# Altium PCB PCB1.pcbdoc (part 4 of 4)
Units mm, origin at the board's own origin, x right, y up, seen from the top; angles counter-clockwise.
Board outline 96.52 x 122.17 mm, 4 copper layers (Top Layer, Inner1, Inner2, Bottom Layer); 129 components, 127 nets, 709 pads, 318 vias.
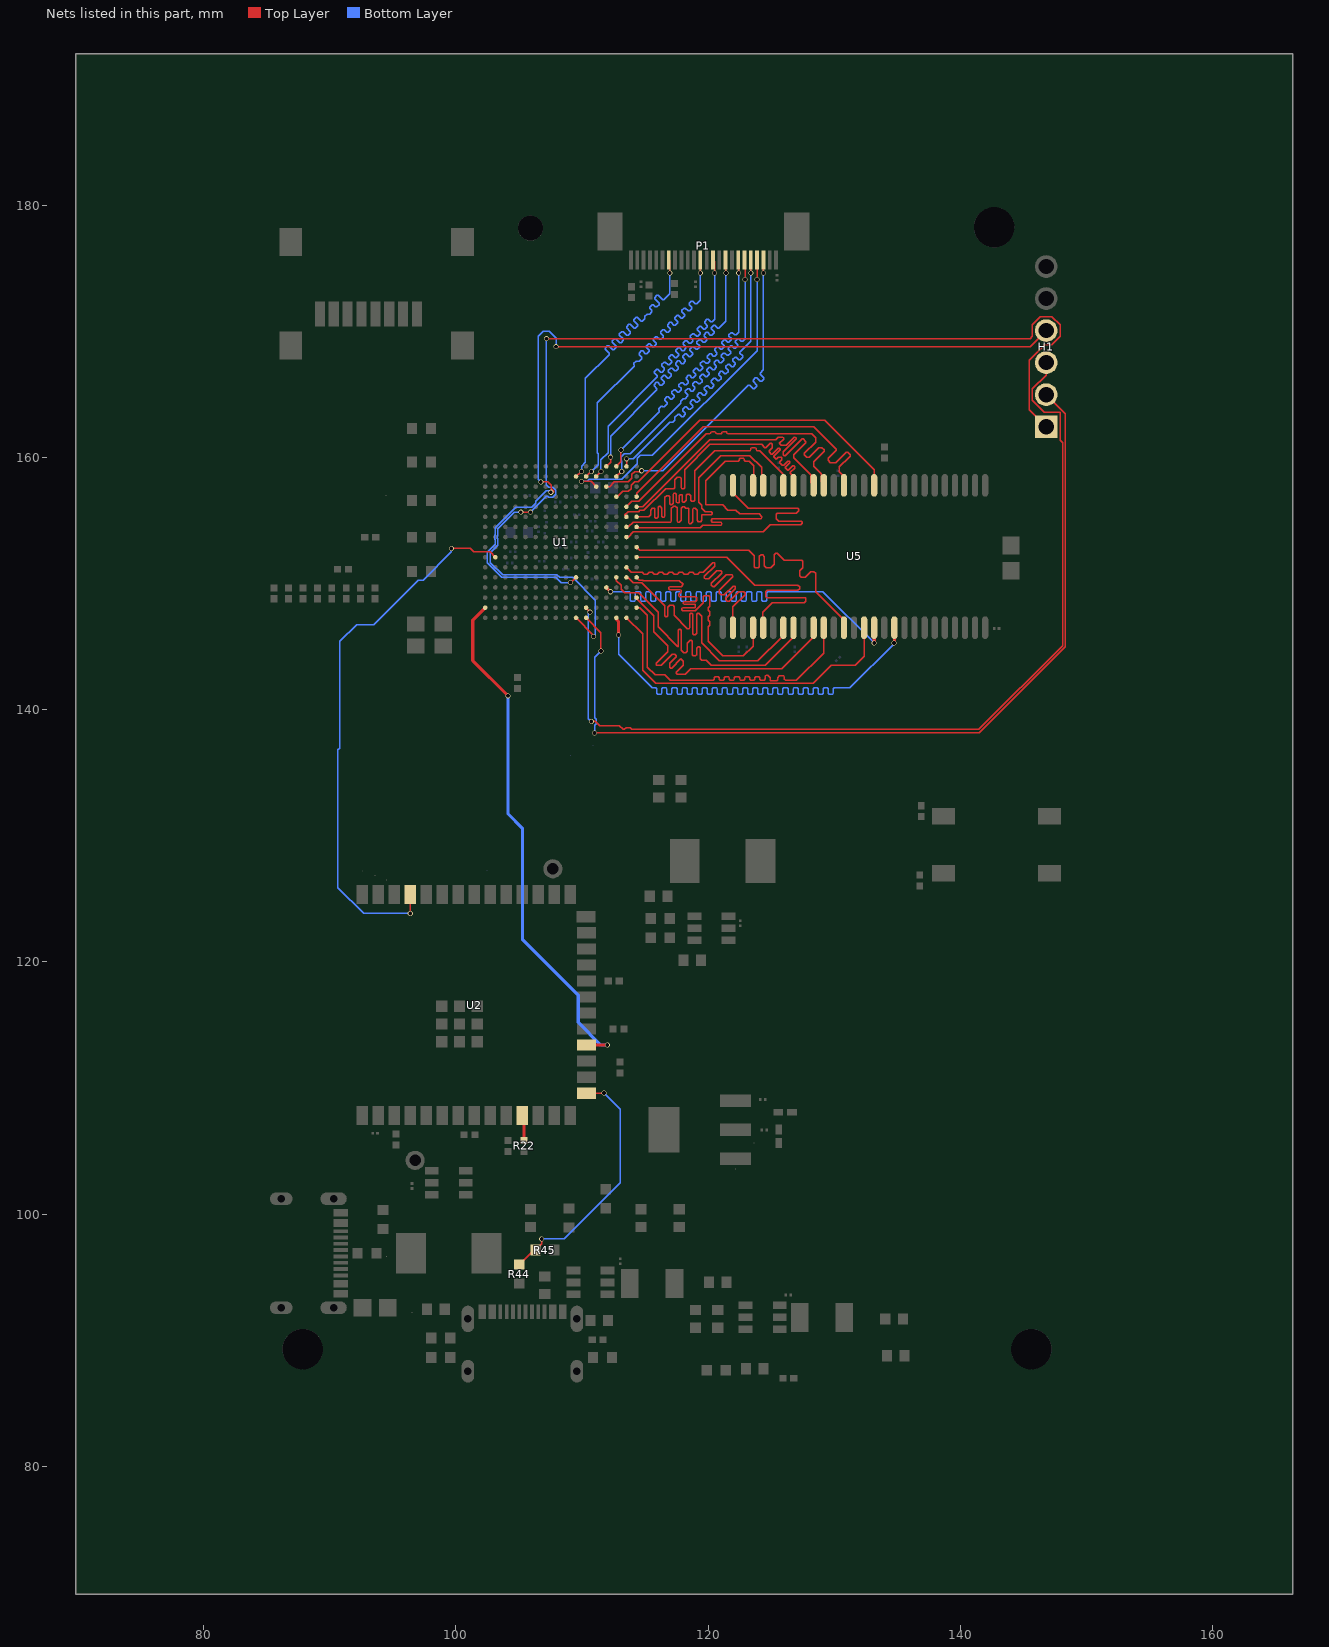
[diagram p6: the nets of this part, all layers, seen from the top]

## Via types
v1: diameter 0.4, hole 0.3, Top Layer to Bottom Layer, 291 vias
v2: diameter 1, hole 0.5, Top Layer to Bottom Layer, 26 vias
v3: diameter 0.5, hole 0.3, Top Layer to Bottom Layer, 1 vias

## Nets (pads, with @x,y where several pads share a name; then routed paths per layer and width w, separated by ;. In a path a pad name is that pad's centre, name@x,y a point inside that pad or via, vN(x,y) a via of type N, cw(c..) or ccw(c..) an arc to the next point about the centre after c; other vN are vias at no path point) (continued)
SD_DQ0: U1.L15 U5.2 | length 25
  Top Layer w0.1: U1.L15@113.531,151.289 113.913,150.907 114.78,150.907 114.851,150.836 114.851,150.82 114.921,150.749 115.18,150.749 115.251,150.82 115.251,150.836 115.321,150.907 115.58,150.907 115.651,150.836 115.651,150.82 115.721,150.749 115.98,150.749 116.051,150.82 116.051,150.836 116.121,150.907 116.38,150.907 116.451,150.836 116.451,150.82 116.521,150.749 116.78,150.749 116.851,150.82 116.851,150.836 116.921,150.907 117.18,150.907 117.251,150.836 117.251,150.82 117.321,150.749 117.58,150.749 117.651,150.82 117.651,150.836 117.721,150.907 117.98,150.907 118.051,150.836 118.051,150.82 118.121,150.749 118.38,150.749 118.451,150.82 118.451,150.836 118.521,150.907 118.78,150.907 118.851,150.836 118.851,150.82 118.921,150.749 119.18,150.749 119.251,150.82 119.251,150.836 119.321,150.907 119.621,150.907 120.382,151.667 120.494,151.667 120.523,151.638 120.523,151.384 119.7,150.561 119.7,150.429 119.761,150.368 120.062,150.368 120.697,151.003 121.006,151.003 121.077,150.932 121.077,150.832 120.269,150.024 120.269,149.86 120.396,149.733 120.487,149.733 121.446,150.693 121.901,150.693 121.972,150.622 121.972,150.528 120.904,149.46 120.904,149.225 121.031,149.098 121.285,149.098 121.991,149.804 122.103,149.804 122.174,149.733 122.174,149.581 121.412,148.819 121.412,148.717 121.539,148.59 121.666,148.59 122.428,149.352 122.826,149.352 122.946,149.231 122.946,149.131 121.972,148.157 U5.2@121.972,146.631
SD_DQ1: U1.M16 U5.4 | length 25
  Top Layer w0.1: U1.M16@114.331,150.489 114.547,150.273 114.808,150.273 114.846,150.235 117.735,150.235 118.036,149.934 117.865,149.762 116.967,149.762 116.896,149.691 116.896,149.591 116.967,149.521 117.814,149.521 117.856,149.479 117.856,149.34 117.658,149.143 117.658,149.043 117.729,148.972 118.998,148.972 119.105,148.865 119.105,148.696 118.978,148.569 118.11,148.569 118.045,148.504 118.045,148.412 118.11,148.348 118.998,148.348 118.998,148.114 118.981,148.096 117.983,148.096 117.912,148.026 117.912,147.926 117.983,147.855 118.998,147.855 119.634,148.491 119.634,148.971 119.705,149.042 120.071,149.042 120.142,148.971 120.142,148.209 120.015,148.082 120.015,147.878 120.135,147.758 120.135,147.478 120.015,147.358 120.015,147.078 120.135,146.958 120.135,146.678 120.015,146.558 120.015,145.415 121.158,144.272 122.809,144.272 123.572,145.035 U5.4@123.572,146.631
SD_DQ2: U1.K16 U5.5 | length 25.6
  Top Layer w0.1: U1.K16@114.331,152.089 121.469,152.089 123.698,149.86 127.127,149.86 127.254,149.733 127.254,149.606 127.111,149.463 124.679,149.463 124.569,149.352 124.569,148.948 124.629,148.888 127.691,148.888 127.762,148.817 127.762,148.59 127.636,148.464 125.096,148.464 124.355,147.723 124.355,146.902 124.372,146.885 U5.5@124.372,146.631
SD_DQ3: U1.M15 U5.7 | length 24.8
  Top Layer w0.1: U1.M15@113.531,150.489 113.611,150.489 113.625,150.474 113.673,150.474 114.076,150.071 114.724,150.071 116.571,148.224 116.571,147.447 116.641,147.376 116.741,147.376 116.812,147.447 116.812,148.124 116.967,148.279 117.221,148.279 117.321,148.179 117.321,147.474 118.364,146.431 118.491,146.431 118.549,146.489 118.549,147.574 118.62,147.645 118.72,147.645 118.79,147.574 118.79,146.005 118.872,145.923 118.999,145.923 119.123,146.047 119.123,147.574 119.182,147.633 119.265,147.633 119.487,147.411 119.487,145.308 120.904,143.891 123.957,143.891 125.828,145.762 125.828,146.36 125.845,146.377 125.845,146.504 U5.7@125.972,146.631
SD_DQ4: U1.M14 U5.8 | length 25.8
  Top Layer w0.1: U1.M14@112.731,150.489 112.731,150.229 113.113,149.847 113.113,149.567 113.409,149.271 114.489,149.271 116.051,147.709 116.051,146.558 117.609,145 117.641,145.032 117.641,146.304 117.712,146.375 117.812,146.375 117.882,146.304 117.882,144.727 118.083,144.526 118.237,144.526 118.356,144.645 118.356,145.267 118.574,145.486 118.674,145.486 118.745,145.415 118.745,144.372 118.845,144.272 118.999,144.272 119.091,144.364 119.091,144.86 119.209,144.978 119.309,144.978 119.38,144.907 119.38,144.04 119.507,143.913 119.847,143.913 120.25,143.51 124.521,143.51 126.929,145.918 126.929,146.474 U5.8@126.772,146.631
SD_DQ5: U1.P16 U5.10 | length 25.6
  Top Layer w0.1: U1.P16@114.331,148.889 114.331,148.78 115.676,147.435 115.676,146.198 116.81,145.064 116.81,144.61 115.88,143.681 115.88,143.581 115.951,143.51 116.271,143.51 117.16,144.399 117.348,144.399 117.475,144.272 117.475,144.206 116.954,143.686 116.954,143.37 117.025,143.3 117.125,143.3 117.85,144.024 118.019,143.855 118.019,143.533 117.468,142.982 117.468,142.882 117.539,142.811 118.173,142.811 118.618,143.256 125.849,143.256 128.372,145.779 U5.10@128.372,146.631
SD_DQ6: U1.R16 U5.11 | length 25.2
  Top Layer w0.1: U1.R16@114.331,148.089 114.595,148.089 115.189,147.495 115.189,143.383 115.82,142.752 116.582,142.752 116.983,142.351 120.425,142.351 120.495,142.422 120.495,142.55 120.566,142.621 120.825,142.621 120.895,142.55 120.895,142.422 120.966,142.351 121.225,142.351 121.295,142.422 121.295,142.55 121.366,142.621 121.625,142.621 121.695,142.55 121.695,142.422 121.766,142.351 122.025,142.351 122.095,142.422 122.095,142.55 122.166,142.621 122.425,142.621 122.495,142.55 122.495,142.422 122.566,142.351 122.825,142.351 122.895,142.422 122.895,142.55 122.966,142.621 123.225,142.621 123.295,142.55 123.295,142.422 123.366,142.351 123.625,142.351 123.695,142.422 123.695,142.55 123.766,142.621 124.025,142.621 124.095,142.55 124.095,142.422 124.166,142.351 124.443,142.351 124.543,142.451 124.543,142.677 124.614,142.748 124.714,142.748 124.92,142.542 124.92,142.291 125.432,142.291 125.532,142.391 125.532,142.55 125.659,142.677 125.984,142.677 126.055,142.607 126.055,142.421 126.155,142.321 126.986,142.321 129.159,144.494 U5.11@129.159,146.126
SD_DQ7: U1.J16 U5.13 | length 25.2
  Top Layer w0.1: U1.J16@114.331,152.889 114.566,152.654 123.218,152.654 123.654,152.217 123.654,151.315 123.725,151.244 123.966,151.244 124.066,151.344 124.066,152.146 124.203,152.282 124.324,152.282 124.462,152.144 124.462,151.409 124.627,151.244 124.955,151.244 125.238,151.527 125.238,152.289 125.349,152.4 125.492,152.4 126.06,151.832 126.064,151.836 127.437,151.836 127.508,151.765 127.508,151.266 127.254,151.012 127.254,150.638 127.397,150.495 127.694,150.495 128.129,150.931 128.397,150.931 128.526,150.801 128.526,149.367 ; 128.526,149.366 130.772,147.12 U5.13@130.772,146.631
SD_DQ8: U1.D16 U5.42 | length 25.2
  Top Layer w0.1: U1.D16@114.331,156.889 114.331,157.143 119.621,162.433 128.397,162.433 130.175,160.655 130.175,160.574 129.519,159.918 129.519,159.766 129.707,159.578 130.141,159.578 130.964,160.401 131.064,160.401 131.262,160.203 131.262,160.091 131.191,160.02 131.185,160.02 130.408,159.243 130.408,158.877 130.645,158.64 130.645,158.042 U5.42@130.772,157.915
SD_DQ9: U1.E15 U5.44 | length 25
  Top Layer w0.1: U1.E15@113.531,156.089 113.949,156.507 114.489,156.507 119.844,161.862 120.144,161.862 120.214,161.932 120.214,161.981 120.285,162.052 120.544,162.052 120.614,161.981 120.614,161.932 120.685,161.862 121.03,161.862 121.101,161.932 121.101,161.981 121.172,162.052 121.43,162.052 121.501,161.981 121.501,161.932 121.572,161.862 128.207,161.862 128.524,161.544 128.524,161.205 127.635,160.316 127.635,160.208 127.823,160.02 128.016,160.02 128.778,160.782 129.032,160.782 129.201,160.613 129.201,160.471 128.397,159.667 128.397,159.288 128.981,158.704 128.981,158.106 U5.44@129.172,157.915
SD_DQ10: U1.E16 U5.45 | length 25
  Top Layer w0.1: U1.E16@114.331,156.089 114.814,156.089 120.142,161.417 125.359,161.417 125.557,161.615 125.913,161.615 125.984,161.544 125.984,161.458 125.651,161.125 125.809,160.967 126.182,160.967 126.829,161.615 126.929,161.615 127,161.544 127,161.477 125.954,160.431 125.954,160.204 126.025,160.133 126.125,160.133 127.458,161.467 127.558,161.467 127.762,161.263 127.762,161.163 126.801,160.202 126.801,159.975 128.024,158.752 128.024,158.747 128.158,158.613 128.158,158.015 128.258,157.915 U5.45@128.372,157.915
SD_DQ11: U1.F15 U5.47 | length 25.1
  Top Layer w0.1: U1.F15@113.531,155.289 113.404,155.416 113.404,155.441 113.67,155.707 114.489,155.707 114.58,155.798 114.904,155.798 116.642,157.536 117.277,157.536 117.348,157.607 117.348,158.242 117.551,158.445 117.756,158.445 117.856,158.345 117.856,157.607 117.927,157.536 118.076,157.536 118.147,157.607 118.147,159.041 120.142,161.036 124.249,161.036 124.509,160.776 124.594,160.776 124.924,161.107 125.024,161.107 125.095,161.036 125.095,160.782 124.841,160.528 124.841,160.444 125.027,160.259 125.08,160.259 125.547,160.726 125.659,160.726 125.73,160.655 125.73,160.61 125.222,160.102 125.222,160.063 125.422,159.864 125.578,160.02 125.794,160.02 125.857,159.957 125.857,159.797 125.699,159.639 125.699,159.586 125.9,159.385 125.984,159.385 126.309,159.71 126.421,159.71 126.492,159.639 126.492,159.59 126.111,159.209 126.111,159.174 126.306,158.979 126.353,158.979 126.702,159.329 126.802,159.329 126.873,159.258 126.873,159.16 126.535,158.822 126.535,158.75 126.772,158.513 U5.47@126.772,157.915
SD_DQ12: U1.F16 U5.48 | length 25.1
  Top Layer w0.1: U1.F16@114.331,155.289 115.284,155.289 115.443,155.448 115.443,155.829 115.57,155.956 115.737,155.956 115.78,155.912 115.78,155.265 115.851,155.194 115.951,155.194 116.059,155.302 116.059,156.064 116.117,156.122 116.205,156.122 116.34,155.987 116.34,155.325 116.415,155.25 116.515,155.25 116.586,155.321 116.586,156.845 116.713,156.972 116.899,156.972 116.98,156.892 116.98,156.337 117.05,156.266 117.119,156.266 117.221,156.369 117.221,157.094 117.284,157.157 117.417,157.157 117.488,157.086 117.488,156.464 117.558,156.393 117.658,156.393 117.729,156.464 117.729,156.972 117.793,157.036 117.919,157.036 117.954,157.001 117.954,156.52 118.025,156.449 118.125,156.449 118.266,156.591 118.266,157.001 118.364,157.099 118.491,157.099 118.618,156.972 118.618,156.591 118.689,156.52 118.857,156.52 118.928,156.591 118.928,158.933 120.523,160.528 123.332,160.528 123.402,160.599 123.402,160.711 123.473,160.782 123.732,160.782 123.802,160.711 123.802,160.599 123.873,160.528 124.079,160.528 125.914,158.693 125.914,158.015 125.972,157.957 U5.48@125.972,157.915
SD_DQ13: U1.G15 U5.50 | length 25.1
  Top Layer w0.1: U1.G15@113.531,154.489 113.672,154.489 114.054,154.871 117.025,154.871 117.094,154.94 117.094,155.956 117.277,156.139 117.419,156.139 117.546,156.012 117.546,154.94 117.616,154.869 117.716,154.869 117.856,155.009 117.856,155.956 117.983,156.083 118.11,156.083 118.237,155.956 118.453,155.956 118.453,154.813 118.524,154.742 118.624,154.742 118.783,154.902 118.783,155.899 118.84,155.956 118.999,155.956 119.126,155.829 119.126,155.013 119.226,154.913 119.407,154.913 119.507,155.013 119.507,155.406 119.549,155.448 120.269,155.448 120.34,155.519 120.34,155.619 120.261,155.697 119.766,155.697 119.507,155.956 119.507,156.197 119.265,156.44 119.265,158.387 121.025,160.147 123.317,160.147 124.254,159.21 124.254,158.034 U5.50@124.372,157.915
SD_DQ14: U1.G16 U5.51 | length 25
  Top Layer w0.1: U1.G16@114.331,154.489 114.394,154.425 119.373,154.425 119.567,154.619 121.031,154.619 121.102,154.69 121.102,154.79 121.031,154.86 120.349,154.86 120.236,154.973 120.236,155.034 120.331,155.129 124.206,155.129 124.277,155.199 124.277,155.299 124.057,155.519 122.511,155.519 122.201,155.829 121.577,155.829 121.158,156.248 119.808,156.248 119.808,158.162 121.349,159.702 122.412,159.702 122.483,159.773 122.483,159.847 122.553,159.918 122.812,159.918 122.883,159.847 122.883,159.773 122.954,159.702 123.253,159.702 123.618,159.338 123.618,158.25 U5.51@123.636,158.233
SD_DQ15: U1.H15 U5.53 | length 25.3
  Top Layer w0.1: U1.H15@113.531,153.689 113.658,153.689 114.076,154.107 124.362,154.107 124.919,154.664 127.347,154.664 127.452,154.769 127.452,154.869 127.381,154.94 125.603,154.94 125.405,155.138 125.405,155.504 125.476,155.575 126.987,155.575 127.198,155.785 127.198,155.885 127.127,155.956 123.19,155.956 122.099,157.047 U5.53@122.099,157.788
SD_DQM0: U1.T15 U5.15 | length 25.8
  Top Layer w0.1: U1.T15@113.531,147.289 114.808,146.012 114.808,143.129 115.846,142.091 128.341,142.091 129.76,143.51 131.659,143.51 132.372,144.223 U5.15@132.372,146.504
SD_DQM1: U1.D14 U5.39 | length 25.9
  Top Layer w0.1: U1.D14@112.731,156.889 112.82,156.889 113.238,157.307 113.689,157.307 113.913,157.531 113.913,157.811 114.173,158.071 114.453,158.071 119.323,162.941 129.27,162.941 133.181,159.031 133.181,158.042 U5.39@133.054,157.915
SD_RAS_N: U1.T14 U5.18 | length 43.8
  Top Layer w0.254: U1.T14@112.776,147.123 112.903,146.996 v1(112.903,145.923) ; v1(134.747,145.288) 134.772,145.313 U5.18@134.772,146.504
  Bottom Layer w0.1: v1(112.903,145.923) 112.903,144.399 115.57,141.732 115.87,141.732 115.941,141.661 115.941,141.295 116.011,141.224 116.27,141.224 116.341,141.295 116.341,141.661 116.411,141.732 116.67,141.732 116.741,141.661 116.741,141.295 116.811,141.224 117.07,141.224 117.141,141.295 117.141,141.661 117.211,141.732 117.47,141.732 117.541,141.661 117.541,141.295 117.611,141.224 117.87,141.224 117.941,141.295 117.941,141.661 118.011,141.732 118.27,141.732 118.341,141.661 118.341,141.295 118.411,141.224 118.67,141.224 118.741,141.295 118.741,141.661 118.811,141.732 119.07,141.732 119.141,141.661 119.141,141.295 119.211,141.224 119.47,141.224 119.541,141.295 119.541,141.661 119.611,141.732 119.87,141.732 119.941,141.661 119.941,141.295 120.011,141.224 120.27,141.224 120.341,141.295 120.341,141.661 120.411,141.732 120.67,141.732 120.741,141.661 120.741,141.295 120.811,141.224 121.07,141.224 121.141,141.295 121.141,141.661 121.211,141.732 121.47,141.732 121.541,141.661 121.541,141.295 121.611,141.224 121.87,141.224 121.941,141.295 121.941,141.661 122.011,141.732 122.27,141.732 122.341,141.661 122.341,141.295 122.411,141.224 122.67,141.224 122.741,141.295 122.741,141.661 122.811,141.732 123.07,141.732 123.141,141.661 123.141,141.295 123.211,141.224 123.47,141.224 123.541,141.295 123.541,141.661 123.611,141.732 123.87,141.732 123.941,141.661 123.941,141.295 124.011,141.224 124.27,141.224 124.341,141.295 124.341,141.661 124.411,141.732 124.67,141.732 124.741,141.661 124.741,141.295 124.811,141.224 125.07,141.224 125.141,141.295 125.141,141.661 125.211,141.732 125.47,141.732 125.541,141.661 125.541,141.295 125.611,141.224 125.87,141.224 125.941,141.295 125.941,141.661 126.011,141.732 126.27,141.732 126.341,141.661 126.341,141.295 126.411,141.224 126.67,141.224 126.741,141.295 126.741,141.661 126.811,141.732 127.07,141.732 127.141,141.661 127.141,141.295 127.211,141.224 127.47,141.224 127.541,141.295 127.541,141.661 127.611,141.732 127.87,141.732 127.941,141.661 127.941,141.295 128.011,141.224 128.27,141.224 128.341,141.295 128.341,141.661 128.411,141.732 128.67,141.732 128.741,141.661 128.741,141.295 128.811,141.224 129.07,141.224 129.141,141.295 129.141,141.661 129.211,141.732 129.47,141.732 129.541,141.661 129.541,141.295 129.611,141.224 129.87,141.224 129.941,141.295 129.941,141.661 130.011,141.732 131.239,141.732 134.747,145.24 v1(134.747,145.288)
SD_WE_N: U1.N13 U5.16 | length 43.3
  Top Layer w0.254: U1.N13@111.931,149.689 v1(112.268,149.352) ; v1(133.172,145.288) U5.16@133.172,146.504
  Bottom Layer w0.1: v1(112.268,149.352) 113.776,149.352 113.847,149.281 113.847,148.661 113.918,148.59 114.176,148.59 114.247,148.661 114.247,149.281 114.318,149.352 114.576,149.352 114.647,149.281 114.647,148.661 114.718,148.59 114.976,148.59 115.047,148.661 115.047,149.281 115.118,149.352 115.376,149.352 115.447,149.281 115.447,148.661 115.518,148.59 115.776,148.59 115.847,148.661 115.847,149.281 115.918,149.352 116.176,149.352 116.247,149.281 116.247,148.661 116.318,148.59 116.576,148.59 116.647,148.661 116.647,149.281 116.718,149.352 116.976,149.352 117.047,149.281 117.047,148.661 117.118,148.59 117.376,148.59 117.447,148.661 117.447,149.281 117.518,149.352 117.776,149.352 117.847,149.281 117.847,148.661 117.918,148.59 118.176,148.59 118.247,148.661 118.247,149.281 118.318,149.352 118.576,149.352 118.647,149.281 118.647,148.661 118.718,148.59 118.976,148.59 119.047,148.661 119.047,149.281 119.118,149.352 119.376,149.352 119.447,149.281 119.447,148.661 119.518,148.59 119.776,148.59 119.847,148.661 119.847,149.281 119.918,149.352 120.176,149.352 120.247,149.281 120.247,148.661 120.318,148.59 120.576,148.59 120.647,148.661 120.647,149.281 120.718,149.352 120.976,149.352 121.047,149.281 121.047,148.661 121.118,148.59 121.376,148.59 121.447,148.661 121.447,149.281 121.518,149.352 121.776,149.352 121.847,149.281 121.847,148.661 121.918,148.59 122.176,148.59 122.247,148.661 122.247,149.281 122.318,149.352 122.576,149.352 122.647,149.281 122.647,148.661 122.718,148.59 122.976,148.59 123.047,148.661 123.047,149.281 123.118,149.352 123.376,149.352 123.447,149.281 123.447,148.661 123.518,148.59 123.776,148.59 123.847,148.661 123.847,149.281 123.918,149.352 124.176,149.352 124.247,149.281 124.247,148.661 124.318,148.59 124.576,148.59 124.647,148.661 124.647,149.281 124.718,149.352 129.108,149.352 v1(133.172,145.288)
SDA: R22.1 U2.11 | length 1.9
  Top Layer w0.254: R22.1@105.405,105.918 U2.11@105.405,107.836
SSPI_CS_N: U1.R1 U2.18 | length 41.3
  Top Layer w0.254: U1.R1@102.331,148.089 101.346,147.104 101.346,143.891 v1(104.14,141.097) ; U2.18@110.495,113.411 v1(112.014,113.411)
  Bottom Layer w0.254: v1(104.14,141.097) 104.14,131.743 105.283,130.6 105.283,121.793 109.701,117.375 109.701,115.216 111.506,113.411 v1(112.014,113.411)
TCK: H1.1 U1.T10 | length 88.4
  Top Layer w0.1: v1(105.152,155.661) 105.363,155.661 105.373,155.671 105.689,155.671 105.699,155.661 105.877,155.661 v1@105.918,155.702 ; v1(107.188,169.418) 145.526,169.418 145.71,169.602 145.71,170.509 146.356,171.155 147.268,171.155 147.914,170.509 147.914,169.597 147.268,168.951 146.692,168.951 145.459,167.719 145.459,163.786 H1.1@146.812,162.433 ; U1.T10@109.531,147.289 110.915,145.905 v1(110.915,145.796)
  Bottom Layer w0.1: v1(105.152,155.661) 104.636,155.661 103.333,154.358 103.333,153.802 103.284,153.752 103.284,153.6 103.345,153.538 103.345,153.04 102.743,152.438 102.743,151.667 103.715,150.695 108.014,150.695 108.227,150.481 109.26,150.481 111.046,148.695 111.046,145.927 v1(110.915,145.796) ; v1(105.918,155.661) 107.188,156.931 107.273,156.931 107.365,156.839 107.698,156.839 107.933,157.075 107.933,157.408 107.698,157.643 107.365,157.643 107.188,157.82 v1(107.188,169.418)
TDI: H1.3 U1.R11 | length 74.5
  Top Layer w0.1: U1.R11@110.331,148.089 110.331,148.041 v1(110.644,147.728) ; v1(110.744,139.065) 111.072,139.065 111.399,138.738 112.949,138.738 113.257,138.43 113.371,138.43 113.498,138.557 113.832,138.557 113.959,138.43 141.478,138.43 148.136,145.088 148.136,161.153 147.923,161.366 147.923,163.579 146.647,163.579 145.71,164.517 145.71,165.429 146.812,166.531 H1.3@146.812,167.513
  Bottom Layer w0.1: v1(110.644,147.728) 110.513,147.597 110.513,139.296 v1(110.744,139.065)
TDO: H1.4 U1.M10 | length 72.1
  Top Layer w0.1: v1(106.743,158.054) 106.955,158.054 106.973,158.071 107.289,158.071 107.549,157.811 107.549,157.531 107.773,157.307 107.773,157.271 107.743,157.241 v1(107.531,157.241) ; v1(107.95,168.783) 145.542,168.783 H1.4@146.812,170.053 ; v1(109.093,150.079) 109.121,150.079 U1.M10@109.531,150.489
  Bottom Layer w0.1: v1(106.743,158.054) 106.532,158.265 106.532,169.601 106.932,170.001 107.413,170.001 107.95,169.464 v1(107.95,168.783) ; v1(107.531,157.241) 107.404,157.368 107.175,157.368 106.32,156.514 106.32,156.357 106.026,156.063 104.755,156.063 103.133,154.441 103.133,153.884 103.084,153.835 103.084,153.517 103.145,153.456 103.145,153.122 102.489,152.466 102.489,151.638 103.632,150.495 107.931,150.495 108.346,150.079 v1(109.093,150.079)
TMS: H1.2 U1.T11 | length 70.7
  Top Layer w0.1: U1.T11@110.331,147.289 111.506,146.114 v1(111.506,144.653) ; v1(110.998,138.155) 141.486,138.155 148.336,145.005 148.336,163.449 H1.2@146.812,164.973
  Bottom Layer w0.1: v1(110.998,138.155) 110.998,138.75 111.146,138.898 111.146,139.232 110.998,139.38 110.998,144.145 v1(111.506,144.653)
TX: U1.K2 U2.37 | length 43.6
  Top Layer w0.1: v1@96.388,123.825 U2.37@96.388,125.336 ; v1@99.568,152.781 101.158,152.781 101.433,152.506 102.712,152.506 ; 102.713,152.507 U1.K2@103.131,152.089
  Bottom Layer w0.1: v1(96.388,123.846) 92.689,123.846 90.655,125.88 90.655,136.809 90.805,136.959 90.805,145.415 92.129,146.739 93.501,146.739 97.036,150.274 97.404,150.274 99.643,152.513 v1(99.643,152.781)
USB_VBUS: R44.1 R45.2 U2.15 | length 19.9
  Top Layer w0.1: R44.1@105.029,96.003 106.181,97.155 R45.2@106.308,97.155 106.807,97.654 v1(106.807,98.044) ; U2.15@110.368,109.601 v1(111.76,109.601)
  Bottom Layer w0.1: v1(106.807,98.044) 108.585,98.044 113.03,102.489 113.03,108.331 v1(111.76,109.601)
VSYNC: P1.7 U1.B10 | length 27.1
  Top Layer w0.1: U1.B10@109.531,158.489 109.927,158.885 v1(109.974,158.885) ; P1.7@116.888,175.655 116.967,175.577 v1(116.967,174.625)
  Bottom Layer w0.1: v1(109.974,158.885) 109.974,159.317 110.257,159.599 110.257,166.264 112.152,168.159 112.152,168.259 111.843,168.568 111.843,168.668 112.026,168.851 112.126,168.851 112.435,168.542 112.535,168.542 112.718,168.725 112.718,168.825 112.409,169.134 112.409,169.234 112.591,169.417 112.691,169.417 113.001,169.108 113.101,169.108 113.283,169.29 113.283,169.39 112.974,169.7 112.974,169.8 113.157,169.982 113.257,169.982 113.566,169.673 113.666,169.673 113.849,169.856 113.849,169.956 113.54,170.265 113.54,170.365 113.723,170.548 113.823,170.548 114.132,170.239 114.232,170.239 114.415,170.422 114.415,170.522 114.106,170.831 114.106,170.931 114.289,171.114 114.389,171.114 114.698,170.805 114.798,170.805 114.984,170.991 114.984,171.184 115.171,171.37 115.363,171.37 115.546,171.553 115.546,171.653 115.38,171.819 115.38,171.919 115.563,172.102 115.663,172.102 115.829,171.936 115.929,171.936 116.112,172.119 116.112,172.219 115.767,172.563 115.767,172.663 115.95,172.846 116.05,172.846 116.395,172.502 116.495,172.502 116.967,172.974 v1(116.967,174.625)
Y2: P1.19 U1.B14 | length 27
  Top Layer w0.1: U1.B14@112.731,158.489 113.119,158.877 v1(113.157,158.877) ; P1.19@122.888,175.655 122.936,175.607 v1(122.936,174.117)
  Bottom Layer w0.1: v1(113.157,158.877) 113.157,159.705 113.136,159.726 113.136,160.06 113.371,160.295 113.813,160.295 117.817,164.299 117.817,164.465 118.018,164.665 118.183,164.665 118.399,164.881 118.399,164.981 118.211,165.169 118.211,165.269 118.393,165.451 118.493,165.451 118.681,165.263 118.781,165.263 118.964,165.446 118.964,165.546 118.776,165.734 118.776,165.834 118.959,166.017 119.059,166.017 119.247,165.829 119.347,165.829 119.53,166.012 119.53,166.112 119.342,166.3 119.342,166.4 119.525,166.583 119.625,166.583 119.813,166.395 119.913,166.395 120.096,166.578 120.096,166.678 119.908,166.866 119.908,166.966 120.091,167.148 120.191,167.148 120.379,166.961 120.479,166.961 120.661,167.143 120.661,167.243 120.473,167.431 120.473,167.531 120.656,167.714 120.756,167.714 120.944,167.526 121.044,167.526 121.227,167.709 121.227,167.809 121.039,167.997 121.039,168.097 121.222,168.28 121.322,168.28 121.51,168.092 121.61,168.092 121.793,168.275 121.793,168.375 121.605,168.563 121.605,168.663 121.788,168.846 121.888,168.846 122.076,168.658 122.176,168.658 122.358,168.84 122.358,168.94 122.17,169.128 122.17,169.228 122.353,169.411 122.453,169.411 122.641,169.223 122.741,169.223 122.936,169.418 v1(122.936,174.117)
Y3: P1.21 U1.C12 | length 27
  Top Layer w0.1: v1(109.968,158.1) 110.72,158.1 U1.C12@111.131,157.689 ; v1(123.89,174.117) P1.21@123.89,175.652
  Bottom Layer w0.1: v1(109.968,158.1) 110.417,158.1 110.576,158.259 113.174,158.259 114.406,159.491 114.406,159.933 114.641,160.168 115.591,160.168 123.89,168.467 v1(123.89,174.117)
Y4: P1.22 U1.C13 | length 27
  Top Layer w0.1: U1.C13@111.931,157.689 112.191,157.689 112.573,158.071 113.653,158.071 113.949,158.367 113.949,158.647 114.173,158.871 114.665,158.871 v1(114.74,158.945) ; v1(124.39,174.625) P1.22@124.39,175.652
  Bottom Layer w0.1: v1(114.74,158.945) 116.4,158.945 123.195,165.74 123.295,165.74 123.576,165.459 123.676,165.459 123.859,165.642 123.859,165.742 123.578,166.023 123.578,166.123 123.761,166.306 123.861,166.306 124.142,166.025 124.242,166.025 124.425,166.208 124.425,166.308 124.144,166.589 124.144,166.689 124.39,166.935 v1(124.39,174.625)
Y5: P1.20 U1.A15 | length 27
  Top Layer w0.1: U1.A15@113.531,159.289 113.538,159.296 v1(113.538,159.893) ; v1(123.39,174.625) P1.20@123.39,175.652
  Bottom Layer w0.1: v1(113.538,159.893) 114.084,159.893 116.981,162.791 117.081,162.791 117.089,162.782 117.189,162.782 117.372,162.965 117.372,163.065 117.364,163.074 117.364,163.174 117.624,163.434 117.724,163.434 117.923,163.235 118.023,163.235 118.206,163.418 118.206,163.518 118.007,163.717 118.007,163.817 118.19,163.999 118.29,163.999 118.489,163.801 118.589,163.801 118.772,163.984 118.772,164.084 118.573,164.282 118.573,164.382 118.756,164.565 118.856,164.565 119.054,164.366 119.154,164.366 119.337,164.549 119.337,164.649 119.139,164.848 119.139,164.948 119.321,165.131 119.421,165.131 119.62,164.932 119.72,164.932 119.903,165.115 119.903,165.215 119.704,165.414 119.704,165.514 119.887,165.696 119.987,165.696 120.186,165.498 120.286,165.498 120.469,165.681 120.469,165.781 120.27,165.979 120.27,166.079 120.453,166.262 120.553,166.262 120.751,166.063 120.851,166.063 121.034,166.246 121.034,166.346 120.836,166.545 120.836,166.645 121.018,166.828 121.118,166.828 121.317,166.629 121.417,166.629 121.6,166.812 121.6,166.912 121.401,167.111 121.401,167.211 121.584,167.393 121.684,167.393 121.883,167.195 121.983,167.195 122.166,167.378 122.166,167.478 121.967,167.676 121.967,167.776 122.15,167.959 122.25,167.959 122.448,167.76 122.548,167.76 122.731,167.943 122.731,168.043 122.533,168.242 122.533,168.342 123.39,169.199 v1(123.39,174.625)
Y6: P1.18 U1.A14 | length 27.1
  Top Layer w0.1: U1.A14@112.731,159.289 113.096,159.654 v1(113.096,160.589) ; P1.18@122.388,175.655 122.428,175.615 v1(122.428,174.625)
  Bottom Layer w0.1: v1(113.096,160.589) 116.135,163.627 116.135,163.727 116.089,163.772 116.089,163.872 116.272,164.055 116.372,164.055 116.418,164.01 116.518,164.01 116.747,164.239 116.747,164.339 116.561,164.524 116.561,164.624 116.744,164.807 116.844,164.807 117.029,164.621 117.129,164.621 117.312,164.804 117.312,164.904 117.127,165.09 117.127,165.19 117.31,165.372 117.41,165.372 117.595,165.187 117.695,165.187 117.878,165.37 117.878,165.47 117.693,165.655 117.693,165.755 117.875,165.938 117.975,165.938 118.161,165.753 118.261,165.753 118.444,165.936 118.444,166.036 118.258,166.221 118.258,166.321 118.441,166.504 118.541,166.504 118.726,166.318 118.826,166.318 119.009,166.501 119.009,166.601 118.824,166.787 118.824,166.887 119.007,167.07 119.107,167.07 119.292,166.884 119.392,166.884 119.575,167.067 119.575,167.167 119.39,167.352 119.39,167.452 119.572,167.635 119.672,167.635 119.858,167.45 119.958,167.45 120.141,167.633 120.141,167.733 119.955,167.918 119.955,168.018 120.138,168.201 120.238,168.201 120.423,168.016 120.523,168.016 120.706,168.198 120.706,168.298 120.521,168.484 120.521,168.584 120.704,168.767 120.804,168.767 120.989,168.581 121.089,168.581 121.272,168.764 121.272,168.864 121.087,169.049 121.087,169.149 121.27,169.332 121.37,169.332 121.555,169.147 121.655,169.147 121.838,169.33 121.838,169.43 121.652,169.615 121.652,169.715 121.835,169.898 121.935,169.898 122.121,169.713 122.221,169.713 122.428,169.92 v1(122.428,174.625)
Y7: P1.16 U1.A13 | length 26.9
  Top Layer w0.1: U1.A13@111.931,159.289 112.268,159.626 v1(112.268,160.02) ; P1.16@121.388,175.654 121.412,175.63 v1(121.412,174.625)
  Bottom Layer w0.1: v1(112.268,160.02) 112.268,161.671 115.946,165.349 115.946,165.449 115.729,165.667 115.729,165.767 115.911,165.949 116.011,165.949 116.229,165.732 116.329,165.732 116.512,165.915 116.512,166.015 116.294,166.232 116.294,166.332 116.477,166.515 116.577,166.515 116.795,166.298 116.895,166.298 117.077,166.48 117.077,166.58 116.86,166.798 116.86,166.898 117.043,167.081 117.143,167.081 117.36,166.863 117.46,166.863 117.643,167.046 117.643,167.146 117.426,167.364 117.426,167.464 117.608,167.646 117.708,167.646 117.926,167.429 118.026,167.429 118.209,167.612 118.209,167.712 117.991,167.929 117.991,168.029 118.174,168.212 118.274,168.212 118.492,167.995 118.592,167.995 118.774,168.177 118.774,168.277 118.557,168.495 118.557,168.595 118.74,168.778 118.84,168.778 119.057,168.56 119.157,168.56 119.34,168.743 119.34,168.843 119.123,169.061 119.123,169.161 119.305,169.343 119.405,169.343 119.623,169.126 119.723,169.126 119.906,169.309 119.906,169.409 119.688,169.626 119.688,169.726 119.871,169.909 119.971,169.909 120.189,169.692 120.289,169.692 120.471,169.874 120.471,169.974 120.254,170.192 120.254,170.292 120.437,170.475 120.537,170.475 120.754,170.257 120.854,170.257 121.412,170.815 v1(121.412,174.625)
Y8: P1.14 U1.B12 | length 27
  Top Layer w0.1: U1.B12@111.131,158.489 111.506,158.864 v1(111.506,158.877) ; P1.14@120.389,175.655 120.519,175.524 v1(120.519,174.621)
  Bottom Layer w0.1: v1(111.506,158.877) 111.506,159.827 112.068,160.389 112.068,162.487 115.966,166.385 115.966,166.485 115.748,166.702 115.748,166.802 115.931,166.985 116.031,166.985 116.249,166.768 116.349,166.768 116.542,166.961 116.542,167.061 116.325,167.279 116.325,167.379 116.508,167.562 116.608,167.562 116.825,167.344 116.925,167.344 117.108,167.527 117.108,167.627 116.89,167.844 116.89,167.944 117.073,168.127 117.173,168.127 117.391,167.91 117.491,167.91 117.674,168.093 117.674,168.193 117.456,168.41 117.456,168.51 117.639,168.693 117.739,168.693 117.956,168.475 118.056,168.475 118.239,168.658 118.239,168.758 118.022,168.976 118.022,169.076 118.205,169.259 118.305,169.259 118.522,169.041 118.622,169.041 118.805,169.224 118.805,169.324 118.587,169.541 118.587,169.641 118.77,169.824 118.87,169.824 119.088,169.607 119.188,169.607 119.371,169.79 119.371,169.89 119.153,170.107 119.153,170.207 119.336,170.39 119.436,170.39 119.654,170.173 119.754,170.173 119.936,170.355 119.936,170.455 119.719,170.673 119.719,170.773 119.902,170.956 120.002,170.956 120.219,170.738 120.319,170.738 120.519,170.938 v1(120.519,174.621)
Y9: P1.12 U1.B11 | length 27
  Top Layer w0.1: U1.B11@110.331,158.489 110.719,158.877 v1(110.744,158.877) ; v1(119.389,174.625) P1.12@119.389,175.655
  Bottom Layer w0.1: v1(110.744,158.877) 111.306,159.439 111.306,160.286 111.231,160.361 111.231,164.317 114.143,167.229 114.143,167.329 114.116,167.356 114.116,167.456 114.299,167.639 114.399,167.639 114.426,167.612 114.526,167.612 114.752,167.838 114.752,167.938 114.535,168.156 114.535,168.256 114.718,168.439 114.818,168.439 115.035,168.221 115.135,168.221 115.318,168.404 115.318,168.504 115.1,168.721 115.1,168.821 115.283,169.004 115.383,169.004 115.601,168.787 115.701,168.787 115.884,168.97 115.884,169.07 115.666,169.287 115.666,169.387 115.849,169.57 115.949,169.57 116.167,169.353 116.267,169.353 116.449,169.535 116.449,169.635 116.232,169.853 116.232,169.953 116.415,170.136 116.515,170.136 116.732,169.918 116.832,169.918 117.015,170.101 117.015,170.201 116.798,170.419 116.798,170.519 116.98,170.701 117.08,170.701 117.298,170.484 117.398,170.484 117.581,170.667 117.581,170.767 117.363,170.984 117.363,171.084 117.546,171.267 117.646,171.267 117.864,171.05 117.964,171.05 118.146,171.232 118.146,171.332 117.929,171.55 117.929,171.65 118.112,171.833 118.212,171.833 118.429,171.615 118.529,171.615 118.712,171.798 118.712,171.898 118.495,172.116 118.495,172.216 118.677,172.398 118.777,172.398 118.995,172.181 119.095,172.181 119.389,172.475 v1(119.389,174.625)
pads on no net: P1.1 P1.10 SCREW1.1 SCREW2.1 SCREW3.1 SCREW4.1 U1.A9 U1.B3 U1.B8 U1.B13 U1.B15 U1.B16 U1.C1 U1.C2 U1.C3 U1.C4 U1.C5 U1.C6 U1.C9 U1.C10 U1.C11 U1.C14 U1.C15 U1.C16 U1.D1 U1.D3 U1.D4 U1.D5 U1.D6 U1.D7 U1.D8 U1.D9 U1.D10 U1.D11 U1.D12 U1.D13 U1.E3 U1.E4 U1.E5 U1.E6 U1.E7 U1.E8 U1.E9 U1.E10 U1.E11 U1.E12 U1.E13 U1.E14 U1.F3 U1.F4 U1.F5 U1.F12 U1.F13 U1.F14 U1.G3 U1.G4 U1.G5 U1.G12 U1.G13 U1.G14 U1.H2 U1.H3 U1.H4 U1.H5 U1.H12 U1.H13 U1.H14 U1.J3 U1.J4 U1.J5 U1.J12 U1.J13 U1.K3 U1.K4 U1.K5 U1.K13 U1.K14 U1.K15 U1.L1 U1.L2 U1.L3 U1.L4 U1.L5 U1.L13 U1.L14 U1.L16 U1.M2 U1.M3 U1.M4 U1.M5 U1.M6 U1.M7 U1.M9 U1.M11 U1.M12 U1.M13 U1.N1 U1.N3 U1.N4 U1.N5 U1.N6 U1.N7 U1.N8 U1.N9 U1.N11 U1.N12 U1.N14 U1.N16 U1.P1 U1.P2 U1.P3 U1.P4 U1.P5 U1.P6 U1.P7 U1.P8 U1.P11 U1.P12 U1.P13 U1.P14 U1.P15 U1.R2 U1.R3 U1.R4 U1.R5 U1.R6 U1.R7 U1.R8 U1.R12 U1.R14 U1.T13 U2.4 U2.16 U2.26 U2.28 U2.29 U2.30 U2.32 U2.33 U2.34 U2.35 U2.38 U2.39 U5.40 U8.4 USB1.A6 USB1.A7 USB1.A8 USB1.B6 USB1.B7 USB1.B8 USB2.A8 USB2.B6 USB2.B7 USB2.B8
copper on no net: | length 14.2
  Top Layer w0.1: 93.599,126.873 93.848,126.624 93.848,125.336 ; 94.488,126.492 95.118,125.862 95.118,125.336 ; 96.388,107.836 96.617,107.607 v1(96.617,106.202) ; 105.278,125.336 105.278,125.971 106.815,127.508 107.442,127.508 107.696,127.254 ; v1(109.983,148.589) 110.032,148.59 110.331,148.889
  Top Layer w0.254: v1(101.727,148.54) 101.982,148.54 102.331,148.889 ; v1(103.526,149.246) 103.526,149.284 103.931,149.689 ; v1(104.283,148.489) 104.331,148.489 104.731,148.889 ; v1(104.394,149.352) 104.731,149.689
  Bottom Layer w0.1: v1(96.617,106.202) 96.774,106.045 96.774,104.267 ; v1(109.983,148.589) 110.363,148.209 110.363,148.082

## Polygon pours and split planes (outlines as drawn)
+3V3 on Inner2 (solid, remove dead copper): 77.851,185.674 160.02,185.674 160.02,76.2 77.851,76.2
GND on Inner1 (solid, remove dead copper): 76.2,182.118 151.257,182.118 151.257,77.978 76.2,77.978
+5V on Top Layer (solid, remove dead copper, pour order 0): 86.995,99.695 90.132,99.695 90.132,93.641 86.995,93.641
+5V on Inner2 (solid, remove dead copper): 87.276,103.749 115.523,103.749 115.523,88.615 87.276,88.615

## Keep-outs
Board Outline Layer:
  lines w0.254: 84.709,86.229 148.709,86.229 148.709,181.229 84.709,181.229 84.709,86.229

## Other copper
Top Layer:
  region net GND: 92.327,127.396 92.835,127.396 92.835,126.995 92.321,126.995 92.327,127
  region net GND: 94.237,96.848 94.745,96.848 94.745,96.446 94.231,96.446 94.237,96.452
  region net GND: 96.269,92.403 96.777,92.403 96.777,92.001 96.263,92.001 96.269,92.007
  region net +1V8: 123.397,105.828 123.905,105.828 123.905,105.426 123.392,105.426 123.397,105.431
  region net GND: 121.916,103.797 122.424,103.797 122.424,103.396 121.911,103.396 121.916,103.401
  region net +3V3: 94.206,157.194 94.714,157.194 94.714,156.793 94.201,156.793 94.206,156.798
  region: 93.348,127.074 93.856,127.074 93.856,126.672 93.342,126.672 93.348,126.678
  region: 94.237,126.693 94.745,126.693 94.745,126.291 94.231,126.291 94.237,126.297
Bottom Layer:
  region net DONE: 110.62,137.361 111.128,137.361 111.128,136.959 110.614,136.959 110.62,136.965
  region net PROGRAMN: 108.842,136.577 109.35,136.577 109.35,136.176 108.836,136.176 108.842,136.181
  region net INITN: 102.238,127.455 102.746,127.455 102.746,127.053 102.232,127.053 102.238,127.059
  region: 110.045,148.257 110.485,148.511 110.686,148.164 110.241,147.907 110.243,147.914

## Silkscreen, mask and mechanical layers (free items; w line width, h text height)
Top Silkscreen Layer:
  text "JTAG" at 144.928,166.326 h3.05 r90